# Altium PCB STM_Core_BRD.PcbDoc (continued)
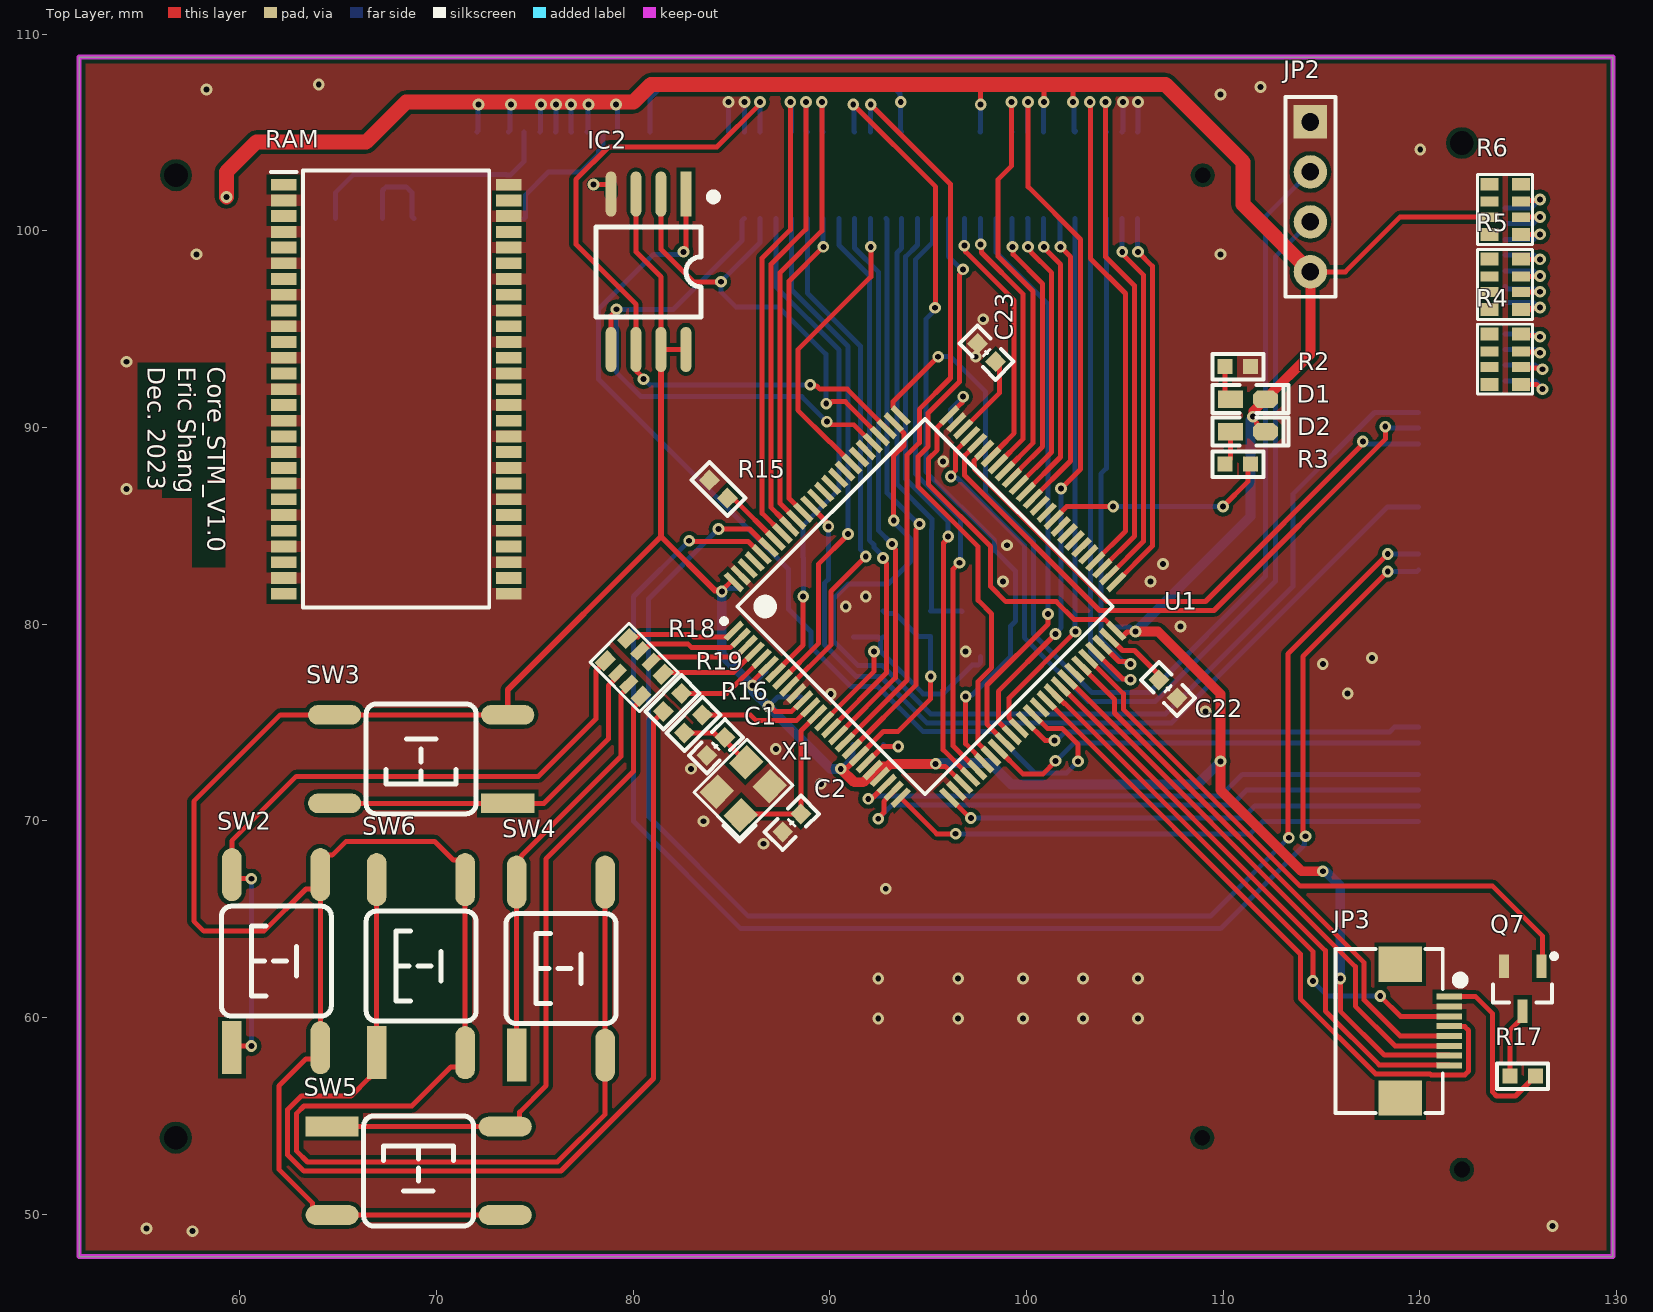
[diagram p0: Top Layer view]
## Nets (pads, with @x,y where several pads share a name; then routed paths per layer and width w, separated by ;. In a path a pad name is that pad's centre, name@x,y a point inside that pad or via, vN(x,y) a via of type N, cw(c..) or ccw(c..) an arc to the next point about the centre after c; other vN are vias at no path point) (continued)
5VDVDD: R6.6
AGND: R7.2 U1.20 | length 2.8
  Top Layer w0.254: U1.20 91.86,72.942 92.263,73.346 92.705,73.787 v1(93.472,73.787)
  Bottom Layer w0.254: R7.2 92.807,73.787 v1(93.472,73.787)
AUX_ENC_A: J3.26
AUX_ENC_B: J3.25
AUX_ENC_Z: J3.24
AUX_TEMP: J4.106 U1.30 | length 30
  Top Layer w0.254: v1(96.586,83.124) 96.586,83.122 96.266,82.802 96.266,73.807 U1.30
  Bottom Layer w0.254: J4.106 95.206,100.585 95.206,99.397 94.361,98.552 94.361,87.63 96.647,85.344 96.647,83.38 96.586,83.319 v1(96.586,83.124)
CAN_RX: J3.84 U1.95 | length 73.5
  Top Layer w0.254: v1(84.328,84.836) 85.912,84.836 86.845,83.902 U1.95 ; v1(113.333,69.137) 113.284,69.187 113.284,78.486 v1(118.364,83.566)
  Bottom Layer w0.254: v1(84.328,84.836) 80.772,81.28 80.772,70.231 85.852,65.151 109.347,65.151 v1(113.333,69.137) ; v1(118.364,83.566) J3.84
CAN_TX: J3.85 U1.96 | length 74.9
  Top Layer w0.254: v1(82.843,84.24) 82.873,84.209 85.832,84.209 86.492,83.549 U1.96 ; v1(114.173,69.215) 114.046,69.342 114.046,78.359 v1(118.364,82.677)
  Bottom Layer w0.254: v1(82.843,84.24) 80.01,81.407 80.01,69.977 85.471,64.516 109.855,64.516 114.136,68.797 114.136,69.178 v1(114.173,69.215) ; v1(118.364,82.677) 119.844,82.677 J3.85
DDR_TEMP: J4.63
DGND: C1.1 C2.2 C14.1 C15.1 C16.1 C17.1 C18.1 C19.1 C20.1 C21.1 C22.1 C23.1 IC2.4 J3.44 J3.45 J3.46 J3.47 J3.48 J3.49 J3.50 J3.51 J3.52 J3.53 J3.54 J3.55 J3.108 J3.109 J3.110 J3.111 J3.112 J3.113 J3.114 J3.115 J3.116 J3.117 J4.29 J4.30 J4.31 J4.32 J4.33 J4.34 J4.58 J4.59 J4.60 J4.83 J4.84 J4.85 J4.86 J4.87 J4.88 J4.89 J4.90 J4.91 J4.92 J4.93 J5.33 J5.34 J5.35 J5.36 J5.37 J5.38 J5.39 J5.40 J5.47 J5.48 J5.49 J5.59 J5.60 JP2.1 JP3.2 Q1.2 Q7.2 R2.1 R7.1 R15.1 RAM.2 RAM.4 RAM.6 RAM.8 RAM.10 RAM.12 RAM.14 RAM.16 RAM.18 RAM.20 RAM.22 RAM.24 RAM.26 RAM.28 RAM.30 RAM.32 RAM.34 RAM.36 RAM.38 RAM.40 RAM.42 RAM.44 RAM.46 RAM.48 RAM.50 RAM.52 RAM.54 U1.10 U1.27 U1.74 U1.99 X1.2 X1.4 | length 7.5
  Top Layer w0.254: v1(77.978,102.362) 78.73,102.362 78.867,102.225 IC2.4 ; U1.74@96.424,90.234 U1.74
  Bottom Layer w0.254: v1(84.849,106.553) 84.849,105.03 J4.33 ; v1(85.649,106.553) J4.34 J4.34 ; J4.58 104.902,105.081 v1(104.902,106.553) ; J4.59 105.664,105.043 v1(105.664,106.553)
  other v1: 57.595,49.134 55.245,49.276 126.746,49.403 92.456,59.944 96.52,59.944 99.822,59.944 102.87,59.944 105.664,59.944 92.456,61.976 96.52,61.976 99.822,61.976 102.87,61.976 105.664,61.976 92.837,66.548 86.614,68.834 83.566,69.977 89.535,71.882 82.931,72.644 87.249,73.66 109.093,75.565 90.043,76.454 116.325,76.47 115.062,77.978 117.556,78.287 96.901,78.613 107.823,79.883 90.805,80.899 91.821,81.407 98.805,82.168 106.299,82.169 106.934,83.058 98.999,84.013 54.229,86.868 95.758,88.265 54.229,93.345 97.409,93.599 97.79,95.504 57.785,98.806 109.855,98.806 120.015,104.14 109.855,106.934 58.293,107.188 111.887,107.315 64.008,107.442
DRAM_DVDD: R4.8
DSP_TCK: J3.33
DSP_TDI: J3.36
DSP_TDO: J3.35
DSP_TEMP: J4.64
DSP_TMS: J3.34
EN_GATE: J4.119 U1.51 | length 19.6
  Top Layer w0.254: U1.51 106.391,83.97 106.391,98.206 v1(105.664,98.933)
  Bottom Layer w0.254: J4.119 105.65,98.947 v1(105.664,98.933)
ENC_SPI_CS_A: J4.48
ENC_SPI_CS_B: J4.43
ENC_SPI_MISO_A: J4.50
ENC_SPI_MISO_B: J4.45
ENC_SPI_MOSI_A: J4.40
ENC_SPI_MOSI_B: J4.77
ENC_SPI_SCK_A: J4.27
ENC_SPI_SCK_B: J4.46
FLASH_nCS: IC2.1 U1.38 | length 50.4
  Top Layer w0.254: v1(82.55,98.933) 82.677,99.06 IC2.1 ; U1.38 100.345,75.417 100.749,75.014 101.055,74.707 101.795,74.707 102.616,73.886 v1(102.616,73.025)
  Bottom Layer w0.254: v1(82.55,98.933) 82.423,98.806 81.026,98.806 78.232,96.012 78.232,92.456 87.884,82.804 87.884,80.772 89.027,79.629 89.027,78.867 91.059,76.835 92.435,76.835 94.74,74.53 98.317,74.53 100.422,72.425 102.016,72.425 v1(102.616,73.025)
FPGA_TCK: J3.28
FPGA_TDI: J3.31
FPGA_TDO: J3.30
FPGA_TMS: J3.29
GPIO1: J3.120
GPIO2: J3.119
GPIO3: J3.100 U1.26 | length 24.6
  Top Layer w0.254: U1.26 96.085,71.174 v1@97.155,70.104
  Bottom Layer w0.254: v1(97.164,70.145) 110.993,70.145 111.614,70.766 J3.100
GPIO4: J3.101 U1.25 | length 27.4
  Top Layer w0.254: U1.25 95.428,69.342 v1(96.393,69.342)
  Bottom Layer w0.254: v1(96.393,69.342) 111.379,69.342 112.003,69.966 J3.101
GPIO5: J3.96 U1.33 | length 22.6
  Top Layer w0.254: U1.33 99.804,72.39 100.838,72.39 101.473,73.025 v1(101.473,73.052)
  Bottom Layer w0.254: v1(101.473,73.052) 101.5,73.052 102.414,73.966 J3.96
GPIO6: J3.95 U1.37 | length 20.6
  Top Layer w0.254: U1.37 100.942,74.08 v1(101.417,74.08)
  Bottom Layer w0.254: v1@101.494,74.147 101.577,74.147 101.936,74.506 118.448,74.506 118.701,74.759 119.926,74.759 J3.95
GPIO7: J3.75 U1.77 | length 55.1
  Top Layer w0.254: v1(93.242,85.277) 93.242,88.561 93.769,89.089 93.769,89.707 93.242,90.234 U1.77
  Bottom Layer w0.254: v1(93.242,85.277) 93.242,85.193 94.107,84.328 94.107,83.185 92.964,82.042 90.932,82.042 90.17,81.28 90.17,79.152 91.417,77.905 92.649,77.905 95.116,75.438 107.061,75.438 113.538,81.915 113.538,86.614 117.685,90.761 119.928,90.761 J3.75
GPIO8: J3.81 U1.89 | length 43.9
  Top Layer w0.254: U1.89 89.85,85.173 89.85,85.029 v1(89.916,84.963)
  Bottom Layer w0.254: v1(89.916,84.963) 89.916,82.281 89.716,82.081 89.716,78.964 91.337,77.343 92.569,77.343 94.928,74.984 107.369,74.984 118.351,85.966 J3.81
GPIO9: J3.118
GPIO10: J3.73
GPIO11: J3.97
GPIO12: J3.107
GPIO13: J3.106
GPIO14: J3.105
GPIO15: J3.104
GPIO16: J3.102
GPIO17: J3.103
GPIO18: J3.91
GPIO19: J3.79
GPIO20: J3.61
GPIO21: J3.43
GPIO22: J3.40
GPIO23: J3.94
GPIO24: J3.93
GPIO25: J3.92
GPIO26: J3.90
GPIO27: J3.89
GPIO28: J3.88
GPIO29: J3.87
GPIO30: J3.86
GPIO31: J3.58
GPIO32: J3.83
GPIO33: J3.82
GPIO34: J3.32
GPIO35: J3.80
GPIO36: J3.78
GPIO37: J3.27
GPIO38: J3.23
GPIO39: J3.67
GPIO40: J3.74
GPIO41: J3.72
GPIO42: J3.71
GPIO43: J3.70
GPIO44: J3.69
GPIO45: J3.68
GPIO46: J3.66
GPIO47: J3.65
GPIO48: J3.64
GPIO49: J3.63
GPIO50: J3.15
HDMI_CEC: J5.77
HDMI_CLKN: J5.79
HDMI_CLKP: J5.80
HDMI_D0N: J5.82
HDMI_D0P: J5.83
HDMI_D1N: J5.85
HDMI_D1P: J5.86
HDMI_D2N: J5.88
HDMI_D2P: J5.32
HDMI_HPD: J5.74
HDMI_SCL: J5.120
HDMI_SDA: J5.75
IIC1_SCL: J3.41
IIC1_SDA: J3.42
IIC2_SCL: J3.38
IIC2_SDA: J3.39
LED_Blink: R3.1 U1.60 | length 11.6
  Top Layer w0.254: U1.60 102.036,85.979 v1(104.402,85.979) ; v1(109.982,85.979) 111.252,87.249 111.252,87.996 R3.1
  Bottom Layer w0.254: v1(104.402,85.979) v1(109.982,85.979)
M0_AH1: J4.51 U1.67 | length 21.9
  Top Layer w0.254: U1.67 100.33,89.223 100.33,96.915 98.552,98.693 98.552,102.616 99.225,103.289 v1(99.225,106.553)
  Bottom Layer w0.254: v1(99.225,106.553) 99.225,105.054 J4.51
M0_AH2: J4.76
M0_AL1: J4.118 U1.52 | length 19.3
  Top Layer w0.254: U1.52 104.223,82.488 105.937,84.202 105.937,97.766 104.864,98.839 v1(104.864,98.933)
  Bottom Layer w0.254: J4.118 104.85,98.947 v1(104.864,98.933)
M0_AL2: J4.13
M0_BH1: J4.109 U1.68 | length 13.9
  Top Layer w0.254: v1(97.663,99.314) 97.704,99.273 97.704,98.899 99.822,96.781 99.822,89.422 U1.68
  Bottom Layer w0.254: J4.109 97.656,100.623 97.656,99.321 v1(97.663,99.314)
M0_BH2: J4.36
M0_BL1: J4.57 U1.53 | length 26.5
  Top Layer w0.254: U1.53 105.483,84.476 105.483,97.209 104.289,98.403 104.013,98.679 v1(104.013,106.553)
  Bottom Layer w0.254: v1(104.013,106.553) 104.013,105.066 J4.57
M0_BL2: J4.18
M0_CH1: J4.108 U1.69 | length 13.7
  Top Layer w0.254: v1(96.833,99.246) 96.9,99.18 96.9,98.934 99.368,96.466 99.368,89.708 98.595,88.934 98.191,88.531 U1.69
  Bottom Layer w0.254: v1(96.833,99.246) 96.842,99.255 96.842,100.621 J4.108
M0_CH2: J4.11
M0_CL1: J4.56 U1.54 | length 26.3
  Top Layer w0.254: v1(103.213,106.553) 103.251,106.515 103.251,98.588 105.029,96.81 105.029,84.729 U1.54
  Bottom Layer w0.254: v1(103.213,106.553) 103.25,106.516 J4.56
M0_CL2: J4.79
M0_ENC_A: J4.99 U1.90 | length 16
  Top Layer w0.254: U1.90 87.917,86.399 87.917,97.442 v1(89.662,99.187)
  Bottom Layer w0.254: J4.99 89.656,100.623 89.656,99.193 v1(89.662,99.187)
M0_ENC_B: J4.39 U1.91 | length 24
  Top Layer w0.254: U1.91 87.463,86.146 87.463,97.877 89.586,100 v1(89.586,106.553)
  Bottom Layer w0.254: v1(89.586,106.553) 89.586,105.093 J4.39
M0_ENC_Z: J4.111 U1.66 | length 14.5
  Top Layer w0.254: U1.66 99.252,87.47 99.655,87.874 100.819,89.037 100.819,97.301 99.314,98.806 99.314,99.149 v1(99.276,99.187)
  Bottom Layer w0.254: J4.111 99.263,100.616 99.263,99.2 v1(99.276,99.187)
M0_nCS: J4.96 U1.7 | length 25.8
  Top Layer w0.254: U1.7 88.635,78.942 88.635,81.407 v1(88.639,81.411)
  Bottom Layer w0.254: J4.96 87.25,97.154 90.467,93.937 90.467,86.857 88.635,85.025 88.635,83.412 88.646,83.401 88.646,81.418 v1(88.639,81.411)
M0_SO1: J4.100 U1.15 | length 28.1
  Top Layer w0.254: U1.15 92.872,77.522 92.872,83.091 92.699,83.264 v1(92.699,83.358)
  Bottom Layer w0.254: J4.100 90.45,99.283 92.002,97.731 92.002,84.274 92.237,84.039 92.237,83.909 92.699,83.448 v1(92.699,83.358)
M0_SO2: J4.101 U1.16 | length 28.3
  Top Layer w0.254: U1.16 93.326,77.269 93.326,83.807 93.153,83.98 v1(93.153,84.074)
  Bottom Layer w0.254: J4.101 91.25,99.125 92.456,97.919 92.456,84.771 v1(93.153,84.074)
M0_TEMP: J4.110 U1.34 | length 29.4
  Top Layer w0.254: U1.34 97.99,74.911 97.99,76.908 101.092,80.01 v1(101.092,80.518)
  Bottom Layer w0.254: J4.110 98.45,98.908 101.092,96.266 v1(101.092,80.518)
M1_AH1: J4.114 U1.63 | length 15.3
  Top Layer w0.254: U1.63 102.235,88.299 102.235,98.679 v1(101.727,99.187)
  Bottom Layer w0.254: J4.114 101.688,100.591 101.688,99.226 v1(101.727,99.187)
M1_AH2: J4.81
M1_AL1: J4.107 U1.32 | length 30.7
  Top Layer w0.254: v1(96.766,98.044) 96.766,97.95 96.585,97.769 96.585,92.325 94.996,90.736 94.996,89.032 94.488,88.524 94.488,86.988 97.536,83.94 97.536,81.209 98.227,80.518 98.227,77.787 97.536,77.096 97.536,73.951 U1.32
  Bottom Layer w0.254: J4.107 96.032,100.611 96.032,98.685 96.672,98.044 v1(96.766,98.044)
M1_AL2: J4.67
M1_BH1: J4.113 U1.64 | length 15
  Top Layer w0.254: U1.64 101.727,88.499 101.727,98.298 100.876,99.149 v1(100.876,99.187)
  Bottom Layer w0.254: J4.113 100.863,100.616 100.863,99.2 v1(100.876,99.187)
M1_BH2: J4.54
M1_BL1: J4.52 U1.35 | length 36.9
  Top Layer w0.254: U1.35 98.558,75.05 98.558,76.587 v1(101.473,79.502) ; v1(100.076,106.553) 100.076,102.235 102.743,99.568 102.743,87.884 v1@101.728,86.869
  Bottom Layer w0.254: J4.52 100.05,106.527 v1(100.076,106.553) ; v1(101.473,79.502) 101.473,79.543 101.754,79.824 v1(101.754,86.9)
M1_BL2: J4.82
M1_CH1: J4.112 U1.65 | length 14.7
  Top Layer w0.254: U1.65 101.273,88.752 101.273,97.865 100.211,98.927 100.211,98.958 100.076,99.093 v1(100.076,99.187)
  Bottom Layer w0.254: J4.112 100.063,100.616 100.063,99.2 v1(100.076,99.187)
M1_CH2: J4.75
M1_CL1: J4.115 U1.36 | length 27.6
  Top Layer w0.254: U1.36 99.606,74.742 99.1,75.248 99.1,76.24 102.478,79.618 v1(102.489,79.618)
  Bottom Layer w0.254: J4.115 102.45,79.657 v1(102.489,79.618)
M1_CL2: J4.66
M1_ENC_A: J4.38 U1.92 | length 24.3
  Top Layer w0.254: U1.92 87.938,84.996 87.535,85.399 87.009,85.925 87.009,98.312 88.773,100.076 88.773,106.54 v1(88.786,106.553)
  Bottom Layer w0.254: v1(88.786,106.553) 88.786,105.093 J4.38
M1_ENC_B: J4.37 U1.93 | length 24.5
  Top Layer w0.254: U1.93 86.555,85.64 86.555,98.62 87.986,100.051 v1(87.986,106.553)
  Bottom Layer w0.254: v1(87.986,106.553) 88.033,106.506 88.033,105.046 J4.37
M1_ENC_Z: J4.98 U1.9 | length 26.6
  Top Layer w0.254: U1.9 90.043,78.936 90.043,81.661 v1(91.821,83.439)
  Bottom Layer w0.254: J4.98 88.85,96.838 91.548,94.14 91.548,83.806 91.821,83.533 v1(91.821,83.439)
M1_nCS: J4.97 U1.8 | length 26
  Top Layer w0.254: U1.8 89.408,79.008 89.408,83.05 90.921,84.563 v1(90.921,84.582)
  Bottom Layer w0.254: J4.97 88.05,96.996 90.921,94.125 v1(90.921,84.582)
M1_SO1: J4.103 U1.18 | length 29.1
  Top Layer w0.254: U1.18 94.383,76.912 94.383,84.823 94.556,84.996 v1(94.556,85.09)
  Bottom Layer w0.254: J4.103 92.91,100.569 92.91,86.668 94.488,85.09 v1(94.556,85.09)
M1_SO2: J4.42 U1.17 | length 37.7
  Top Layer w0.254: U1.17 93.929,77.165 93.929,88.607 94.542,89.22 94.542,90.924 96.131,92.513 96.131,102.37 v1(92.075,106.426)
  Bottom Layer w0.254: J4.42 92.063,105.041 92.063,106.414 v1(92.075,106.426)
M1_TEMP: J4.105 U1.29 | length 30.2
  Top Layer w0.254: v1(96.012,84.455) 96.012,84.366 95.777,84.131 95.777,76.673 95.758,76.654 95.758,73.608 U1.29
  Bottom Layer w0.254: J4.105 94.45,99.283 93.853,98.686 93.853,87.383 96.012,85.224 v1(96.012,84.455)
N\R\S\T\: J4.104 Q1.1 R1.1 | length 22.4
  Bottom Layer w0.254: J4.104 93.65,99.125 93.399,98.874 93.399,87.134 95.183,85.35 95.183,84.83 95.173,84.82 95.173,80.71 R1.1 96.698,80.66 Q1.1
NetC1_2: C1.2 R16.1 X1.3 | length 4
  Top Layer w0.254: R16.1 83.359,74.47 ; 83.36,74.47 84.1,74.47 84.323,74.246 C1.2 84.661,74.081 85.783,72.958 X1.3
NetC2_1: C2.1 U1.13 X1.1 | length 8.5
  Top Layer w0.254: X1.1 86.126,70.284 86.199,70.358 87.441,70.358 ; 87.442,70.359 87.758,70.359 ; 87.758,70.358 C2.1 88.519,74.572 89.353,75.406 U1.13
NetC22_2: C22.2 U1.49 | length 3.6
  Top Layer w0.254: U1.49 104.234,79.306 104.878,78.663 105.485,78.663 106.602,77.546 C22.2@106.602,77.041
NetC23_2: C23.2 U1.73 | length 4
  Top Layer w0.254: U1.73 98.63,91.766 C23.2@98.63,93.139
NetD1_1: D1.1 R2.2 | length 1.8
  Top Layer w0.254: R2.2 110.094,91.709 D1.1
NetD2_1: D2.1 R3.2 | length 1.8
  Top Layer w0.254: R3.2 110.363,88.407 D2.1
NetJ3_2: J3.2 R6.3 | length 3
  Top Layer w0.254: R6.3 125.186,101.545 126.056,101.545 v1(126.111,101.6)
  Bottom Layer w0.254: J3.2 125.679,101.166 126.111,101.598 v1(126.111,101.6)
NetJ3_3: J3.3 R6.2 | length 2.9
  Top Layer w0.254: R6.2 125.152,100.711 v1(126.111,100.711)
  Bottom Layer w0.254: J3.3 125.766,100.366 v1(126.111,100.711)
NetJ3_4: J3.4 R6.1 | length 2.9
  Top Layer w0.254: R6.1 126.101,99.812 v1(126.111,99.822)
  Bottom Layer w0.254: J3.4 125.789,99.566 126.045,99.822 v1(126.111,99.822)
NetJ3_5: J3.5 R5.4 | length 2.8
  Top Layer w0.254: R5.4 125.143,98.552 v1(126.111,98.552)
  Bottom Layer w0.254: J3.5 125.803,98.766 126.017,98.552 v1(126.111,98.552)
NetJ3_6: J3.6 R5.3 | length 2.9
  Top Layer w0.254: R5.3 126.092,97.682 v1(126.111,97.701)
  Bottom Layer w0.254: J3.6 125.789,97.966 126.054,97.701 v1(126.111,97.701)
NetJ3_7: J3.7 R5.2 | length 2.9
  Top Layer w0.254: R5.2 126.092,96.882 v1(126.111,96.901)
  Bottom Layer w0.254: J3.7 124.456,97.043 125.875,97.043 126.017,96.901 v1(126.111,96.901)
NetJ3_8: J3.8 R5.1 | length 3
  Top Layer w0.254: R5.1 125.25,95.885 125.476,95.885 125.674,96.083 126.093,96.083 v1(126.111,96.101)
  Bottom Layer w0.254: J3.8 125.759,96.366 126.024,96.101 v1(126.111,96.101)
NetJ3_10: J3.10 R4.4 | length 2.9
  Top Layer w0.254: R4.4 125.204,94.681 126.045,94.681 v1(126.111,94.615)
  Bottom Layer w0.254: J3.10 125.866,94.766 126.017,94.615 v1(126.111,94.615)
NetJ3_11: J3.11 R4.3 | length 2.9
  Top Layer w0.254: R4.3 125.168,93.837 126.076,93.837 v1(126.111,93.802)
  Bottom Layer w0.254: J3.11 125.853,93.966 126.017,93.802 v1(126.111,93.802)
NetJ3_12: J3.12 R4.2 | length 3.1
  Top Layer w0.254: R4.2 125.186,93.019 126.183,93.019 v1(126.238,92.964)
  Bottom Layer w0.254: J3.12 125.853,93.166 125.919,93.1 126.008,93.1 126.144,92.964 v1(126.238,92.964)
NetJ3_13: J3.13 R4.1 | length 3.3
  Top Layer w0.254: R4.1 125.929,92.192 126.173,91.948 v1(126.238,91.948)
  Bottom Layer w0.254: J3.13 125.853,92.366 126.238,91.981 v1(126.238,91.948)
NetJP3_1: JP3.1 R17.2 | length 9.2
  Top Layer w0.254: JP3.1 122.837,61.059 123.698,60.198 123.698,56.205 123.896,56.007 124.856,56.007 R17.2
NetQ7_3: Q7.3 R17.1 | length 3.6
  Top Layer w0.254: R17.1 124.572,59.358 125.066,59.852 125.099,59.852 125.222,59.975 Q7.3
NetR15_2: R15.2 U1.94 | length 3.3
  Top Layer w0.254: R15.2 85.079,86.408 U1.94
NetR16_2: R16.2 U1.12 | length 5.9
  Top Layer w0.254: R16.2 85.953,75.389 86.231,75.111 88.307,75.111 88.967,75.771 U1.12
NetR18_1: R18.1 SW2.1 SW2.4 | length 36.6
  Top Layer w0.254: SW2.1 59.67,58.547 v1(60.579,58.547) ; v1(60.579,67.056) 60.575,67.06 59.793,67.06 SW2.4 59.588,68.986 62.865,72.263 75.184,72.263 78.105,75.184 78.105,77.648 78.581,78.124 R18.1
  Bottom Layer w0.254: v1(60.579,58.547) v1(60.579,67.056)
NetR18_2: R18.2 SW3.1 SW3.4 | length 18.8
  Top Layer w0.254: SW3.4 SW3.1 75.463,70.891 78.74,74.168 78.74,76.878 79.203,77.341 R18.2
NetR18_3: R18.3 SW4.1 SW4.4 | length 21.2
  Top Layer w0.254: SW4.1 SW4.4 74.066,67.936 74.317,68.187 74.317,68.221 79.375,73.279 79.375,76.432 79.769,76.826 R18.3
NetR18_4: R18.4 SW5.1 SW5.4 | length 33.8
  Top Layer w0.254: SW5.1 SW5.4 73.876,54.458 74.22,54.802 74.22,55.19 75.565,56.535 75.565,68.072 80.01,72.517 80.01,75.757 80.391,76.138 R18.4
NetR19_1: R19.1 SW6.1 SW6.4 | length 57.1
  Top Layer w0.254: SW6.4 SW6.1 66.581,57.838 66.581,56.929 65.659,56.007 63.119,56.007 62.43,55.318 62.43,53.013 63.246,52.197 76.327,52.197 81.026,56.896 81.026,75.057 R19.1
nFAULT: J4.102 U1.83 | length 15.2
  Top Layer w0.254: U1.83 90.007,89.258 89.992,89.258 88.371,90.88 88.371,93.959 92.075,97.663 v1(92.075,99.187)
  Bottom Layer w0.254: J4.102 92.063,100.617 92.063,99.199 v1(92.075,99.187)
nRESET: J4.78
PG: J3.14
RDC_SPI_CS_A: J4.25 J4.80 | length 7
  Bottom Layer w0.254: J4.80 74.527,100.706 74.527,101.832 75.692,102.997 77.33,102.997 78.227,103.894 78.227,104.056 78.45,104.279 J4.25
RDC_SPI_MISO_A: J4.28 J4.44 | length 17
  Bottom Layer w0.254: J4.28 80.85,106.758 81.661,107.569 92.964,107.569 93.562,106.971 93.562,106.59 v1(93.599,106.553) 93.599,105.08 J4.44
RDC_SPI_MOSI_A: J4.20 J4.68 | length 13.1
  Bottom Layer w0.254: J4.68 64.85,101.934 65.786,102.87 73.533,102.87 73.555,102.848 73.765,102.848 74.45,103.533 J4.20
RDC_SPI_SCK_A: J4.71 J4.73 | length 4.5
  Bottom Layer w0.254: J4.71 67.25,102.048 67.437,102.235 68.453,102.235 68.751,101.937 68.751,100.728 J4.73
RES_MOS_H: J4.117 U1.48 | length 25.4
  Top Layer w0.254: U1.48 104.699,78.102 105.065,78.102 105.189,77.978 v1(105.283,77.978)
  Bottom Layer w0.254: J4.117 104.05,87.921 103.775,87.646 103.775,79.22 104.951,78.044 105.217,78.044 v1(105.283,77.978)
RES_MOS_L: J4.116 U1.47 | length 27
  Top Layer w0.254: U1.47 104.872,77.222 105.239,77.222 v1(105.283,77.178)
  Bottom Layer w0.254: J4.116 103.25,78.614 104.648,77.216 105.245,77.216 v1(105.283,77.178)
RST: C21.2 Q1.3 R14.1 U1.14 | length 14.1
  Top Layer w0.254: U1.14 92.245,77.602 v1(92.245,78.613)
  Bottom Layer w0.254: C21.2 92.456,79.36 92.565,79.251 R14.1@92.565,79.215 ; v1(92.245,78.613) 92.565,78.613 R14.1@92.565,79.215 ; 92.583,78.613 94.742,76.454 95.758,76.454 97.223,77.919 97.54,77.919 97.663,78.042 Q1.3 ; R14.1 R14.1@92.565,79.215
RTL_A_RX0: J5.119
RTL_A_RX1: J5.118
RTL_A_RX2: J5.117
RTL_A_RX3: J5.116
RTL_A_TX0: J5.114
RTL_A_TX1: J5.113
RTL_A_TX2: J5.112
RTL_A_TX3: J5.111
RTL_B_RX0: J5.81
RTL_B_RX1: J5.78
RTL_B_RX2: J5.73
RTL_B_RX3: J5.106
RTL_B_TX0: J5.104
RTL_B_TX1: J5.103
RTL_B_TX2: J5.102
RTL_B_TX3: J5.101
RTL_C_RX0: J5.99
RTL_C_RX1: J5.115
RTL_C_RX2: J5.97
RTL_C_RX3: J5.96
RTL_C_TX0: J5.94
RTL_C_TX1: J5.93
RTL_C_TX2: J5.92
RTL_C_TX3: J5.91
SD_CLK: J5.68
SD_CMD: J5.66
SD_D0: J5.72
SD_D1: J5.71
SD_D2: J5.70
SD_D3: J5.69
SPI_MISO: IC2.2 J4.95 U1.79 | length 23.8
  Top Layer w0.254: IC2.2 81.407,99.06 83.058,97.409 v1(84.455,97.409) ; v1(89.813,91.21) 89.855,91.252 90.05,91.252 90.111,91.313 90.781,91.313 U1.79
  Bottom Layer w0.254: J4.95 86.443,100.622 86.443,99.397 v1(84.455,97.409) 84.455,96.901 85.217,96.139 87.376,96.139 89.789,93.726 89.789,91.235 v1(89.813,91.21)
SPI_MOSI: IC2.5 J4.94 U1.80 | length 28.9
  Top Layer w0.254: IC2.5 78.867,95.69 79.141,95.964 v1(79.141,96.012) ; v1(89.84,90.297) 89.883,90.297 90.04,90.14 91.214,90.14 92.149,89.206 U1.80
  Bottom Layer w0.254: J4.94 85.527,100.506 85.527,99.497 82.042,96.012 v1(79.141,96.012) 79.141,92.817 80.391,91.567 88.57,91.567 v1(89.84,90.297)
SPI_SCK: IC2.6 J4.35 U1.78 | length 37.6
  Top Layer w0.254: v1(80.518,92.456) 80.518,92.502 80.194,92.827 80.194,93.91 IC2.6 80.137,96.266 77.089,99.314 77.089,102.616 78.74,104.267 84.25,104.267 86.449,106.466 v1(86.449,106.553) ; v1(88.998,92.173) 89.064,92.107 89.323,92.107 89.481,91.948 90.885,91.948 92.485,90.349 92.888,89.945 U1.78
  Bottom Layer w0.254: v1(80.518,92.456) 80.557,92.456 80.84,92.173 v1(88.998,92.173) ; v1(86.449,106.553) J4.35 J4.35
SPI_SENSOR_CS1: J3.19
SPI_SENSOR_CS2: J3.18
SPI_SENSOR_CS3: J3.17
SPI_SENSOR_CS4: J3.16
SPI_SENSOR_MISO: J3.21
SPI_SENSOR_MOSI: J3.20
SPI_SENSOR_SCK: J3.22
SRC_BL: Q7.1 U1.46 | length 31
  Top Layer w0.254: U1.46 104.921,76.466 104.921,75.673 113.919,66.675 123.698,66.675 126.238,64.135 126.238,62.677 Q7.1
SRC_CS: JP3.8 U1.42 | length 29.6
  Top Layer w0.254: U1.42 101.76,76.831 115.189,63.402 115.189,60.33 117.929,57.59 120.703,57.59 120.711,57.582 121.473,57.582 JP3.8
SRC_DC: JP3.4 U1.40 | length 33.9
  Top Layer w0.254: U1.40 113.919,63.225 113.919,60.958 117.741,57.136 120.515,57.136 120.569,57.082 122.281,57.082 122.473,57.274 122.473,59.344 122.281,59.536 121.519,59.536 JP3.4
SRC_RES: JP3.3 U1.41 | length 27.8
  Top Layer w0.254: U1.41 101.406,76.478 101.809,76.074 101.91,75.974 101.942,75.974 114.554,63.362 v1(114.554,61.849) ; v1(117.983,61.087) 119.011,60.059 JP3.3
  Bottom Layer w0.254: v1(114.554,61.849) 115.316,61.087 v1(117.983,61.087)
SRC_SCL: JP3.6 U1.43 | length 28.3
  Top Layer w0.254: U1.43 102.113,77.185 116.713,62.585 116.713,60.579 118.733,58.559 JP3.6
SRC_SDA: JP3.5 U1.45 | length 28
  Top Layer w0.254: U1.45 102.788,77.859 103.191,77.456 103.312,77.335 104.467,76.18 104.467,75.485 117.167,62.785 117.167,60.887 118.995,59.059 JP3.5
SW_D: R18.8 U1.1 | length 5.7
  Top Layer w0.254: R18.8 79.801,79.357 80.229,79.357 80.34,79.468 82.943,79.468 83.07,79.342 84.759,79.342 85.077,79.66 U1.1
SW_KEY: R19.2 U1.5 | length 4.8
  Top Layer w0.254: R19.2 84.763,76.484 U1.5
SW_L: R18.5 U1.4 | length 5.1
  Top Layer w0.254: R18.5 81.611,77.547 85.086,77.547 86.138,78.599 U1.4
SW_R: R18.7 U1.2 | length 5.6
  Top Layer w0.254: R18.7 80.508,78.646 80.734,78.871 80.776,78.871 80.887,78.982 82.787,78.982 82.967,78.802 84.927,78.802 85.431,79.306 U1.2
SW_U: R18.6 U1.3 | length 5.3
  Top Layer w0.254: R18.6 81.074,78.081 81.327,78.333 85.198,78.333 U1.3
SWCLK: JP2.2 U1.76 | length 57.6
  Top Layer w0.254: U1.76 93.277,90.938 93.277,90.971 93.218,91.03 93.218,91.321 95.496,93.599 v1(95.504,93.599)
  Bottom Layer w0.254: v1(95.504,93.599) 96.139,93.599 97.917,91.821 97.917,86.624 100.34,84.201 100.34,79.499 103.312,76.527 106.245,76.527 112.141,82.423 112.141,100.711 JP2.2
SWDIO: JP2.3 U1.72 | length 48
  Top Layer w0.254: v1(96.145,87.509) 96.145,87.577 96.393,87.825 96.393,88.821 U1.72
  Bottom Layer w0.254: v1(96.145,87.509) 96.211,87.443 96.456,87.443 99.886,84.013 99.886,79.311 103.124,76.073 106.553,76.073 112.649,82.169 112.649,98.679 JP2.3
UART_ARM_RX: J3.57
UART_ARM_TX: J3.56
UART_DSP_RX: J3.37
UART_DSP_TX: J3.1
UART_MB_RX: J3.60
UART_MB_TX: J3.59
UART_RX: J3.98 U1.23 | length 29.8
  Top Layer w0.254: v1(91.948,71.12) 92.014,71.186 92.193,71.186 U1.23
  Bottom Layer w0.254: v1(91.948,71.12) 92.042,71.12 92.193,71.271 109.879,71.271 110.974,72.366 J3.98
UART_TX: J3.99 U1.24 | length 29.8
  Top Layer w0.254: v1(92.456,70.104) 92.456,70.144 92.738,70.426 92.738,70.992 92.838,71.092 93.242,71.495 U1.24
  Bottom Layer w0.254: v1(92.456,70.104) 93.169,70.817 110.441,70.817 111.19,71.566 J3.99
USB_DM: J3.77 U1.70 | length 30
  Top Layer w0.254: U1.70 97.838,88.82 97.334,88.316 97.334,88.091 97.347,88.078 97.347,87.893 104.087,81.153 109.093,81.153 v1@117.157,89.218
  Bottom Layer w0.254: v1(117.094,89.281) 117.188,89.281 117.303,89.166 J3.77
USB_DP: J3.76 U1.71 | length 32.1
  Top Layer w0.254: U1.71 96.847,88.568 96.847,87.559 103.707,80.699 109.528,80.699 118.237,89.408 v1(118.237,90.043)
  Bottom Layer w0.254: v1(118.237,90.043) 118.331,90.043 118.408,89.966 J3.76
VBus_Source: J4.41 U1.31 | length 40.3
  Top Layer w0.254: v1(91.186,106.426) 95.377,102.235 v1@95.377,96.012 ; v1(96.901,76.327) 96.901,73.912 97.435,73.378 97.838,72.975 U1.31
  Bottom Layer w0.254: v1(91.186,106.426) 91.218,106.394 91.218,105.061 J4.41 ; v1@95.377,96.012 94.877,95.512 94.877,87.756 98.372,84.261 98.372,83.753 99.432,82.693 99.432,80.151 99.187,79.907 99.187,78.359 97.221,76.393 96.967,76.393 v1(96.901,76.327)
  other v1: 95.343,96.087
VIN_EN: J3.62
VIN_EN2: J3.9
VIN_EN3: J4.120
ZYNQ_TEMP: J4.65
pads on no net: J3.MH1 J3.MH2 J4.1 J4.2 J4.3 J4.4 J4.5 J4.6 J4.7 J4.8 J4.9 J4.10 J4.12 J4.14 J4.15 J4.16 J4.47 J4.62 J4.69 J4.70 J4.72 J4.74 J4.MH1 J4.MH2 J5.1 J5.2 J5.3 J5.4 J5.5 J5.6 J5.7 J5.8 J5.9 J5.10 J5.11 J5.12 J5.13 J5.14 J5.15 J5.16 J5.17 J5.18 J5.19 J5.20 J5.21 J5.22 J5.23 J5.24 J5.25 J5.26 J5.27 J5.28 J5.29 J5.30 J5.31 J5.41 J5.42 J5.43 J5.44 J5.45 J5.46 J5.50 J5.51 J5.52 J5.53 J5.54 J5.55 J5.56 J5.57 J5.58 J5.61 J5.62 J5.63 J5.64 J5.65 J5.67 J5.76 J5.84 J5.87 J5.89 J5.90 J5.95 J5.98 J5.100 J5.105 J5.107 J5.108 J5.109 J5.110 J5.MH1 J5.MH2 JP3.0 R6.4 R6.5 RAM.1 RAM.3 RAM.5 RAM.7 RAM.9 RAM.11 RAM.13 RAM.15 RAM.17 RAM.19 RAM.21 RAM.23 RAM.25 RAM.27 RAM.29 RAM.31 RAM.33 RAM.35 RAM.37 RAM.39 RAM.41 RAM.43 RAM.45 RAM.47 RAM.49 RAM.51 RAM.53 U1.39 U1.44 U1.55 U1.56 U1.57 U1.58 U1.59 U1.61 U1.62 U1.81 U1.82 U1.84 U1.85 U1.86 U1.87 U1.88 U1.97 U1.98

## Polygon pours and split planes (outlines as drawn)
DGND on Bottom Layer "DGND_L02_P001" (solid, remove dead copper, pour order 1): 51.816,47.839 51.816,108.839 129.816,108.839 129.816,47.839
DGND on Top Layer "DGND_L01_P003" (solid, remove dead copper, pour order 3): 51.816,47.839 51.816,108.839 129.816,108.839 129.816,47.839

## Keep-outs
Keep-Out Layer:
  lines w0.254: 129.816,47.839 51.816,47.839 51.816,108.839 129.816,108.839 129.816,47.901

## Other copper
Top Layer:
  text "Dec. 2023" at 55.009,93.091 h1.52 r270
  text "Dec. 2023" at 55.009,93.091 h1.52 r270
  text "Eric Shang" at 56.547,93.091 h1.52 r270
  text "Eric Shang" at 56.547,93.091 h1.52 r270
  text "Core_STM_V1.0" at 58.055,93.091 h1.52 r270
  text "Core_STM_V1.0" at 58.055,93.091 h1.52 r270

## Silkscreen, mask and mechanical layers (free items; w line width, h text height)
Top Overlay:
  text "Dec. 2023" at 55.009,93.091 h1.52 r270
  text "Eric Shang" at 56.547,93.091 h1.52 r270
  text "Core_STM_V1.0" at 58.055,93.091 h1.52 r270
Mechanical 1:
  lines w0.254: 129.754,108.839 51.816,108.839 51.816,47.879 129.816,47.879 ; 129.794,47.879 129.794,108.879